# Altium PCB Motion_Driver_v2.PcbDoc (part 2 of 2)
Units mil, origin at the board's own origin, x right, y up, seen from the top; angles counter-clockwise.
Board outline 3947.73 x 2945.74 mil, 2 copper layers (Top Layer, Bottom Layer); 132 components, 83 nets, 409 pads, 694 vias.
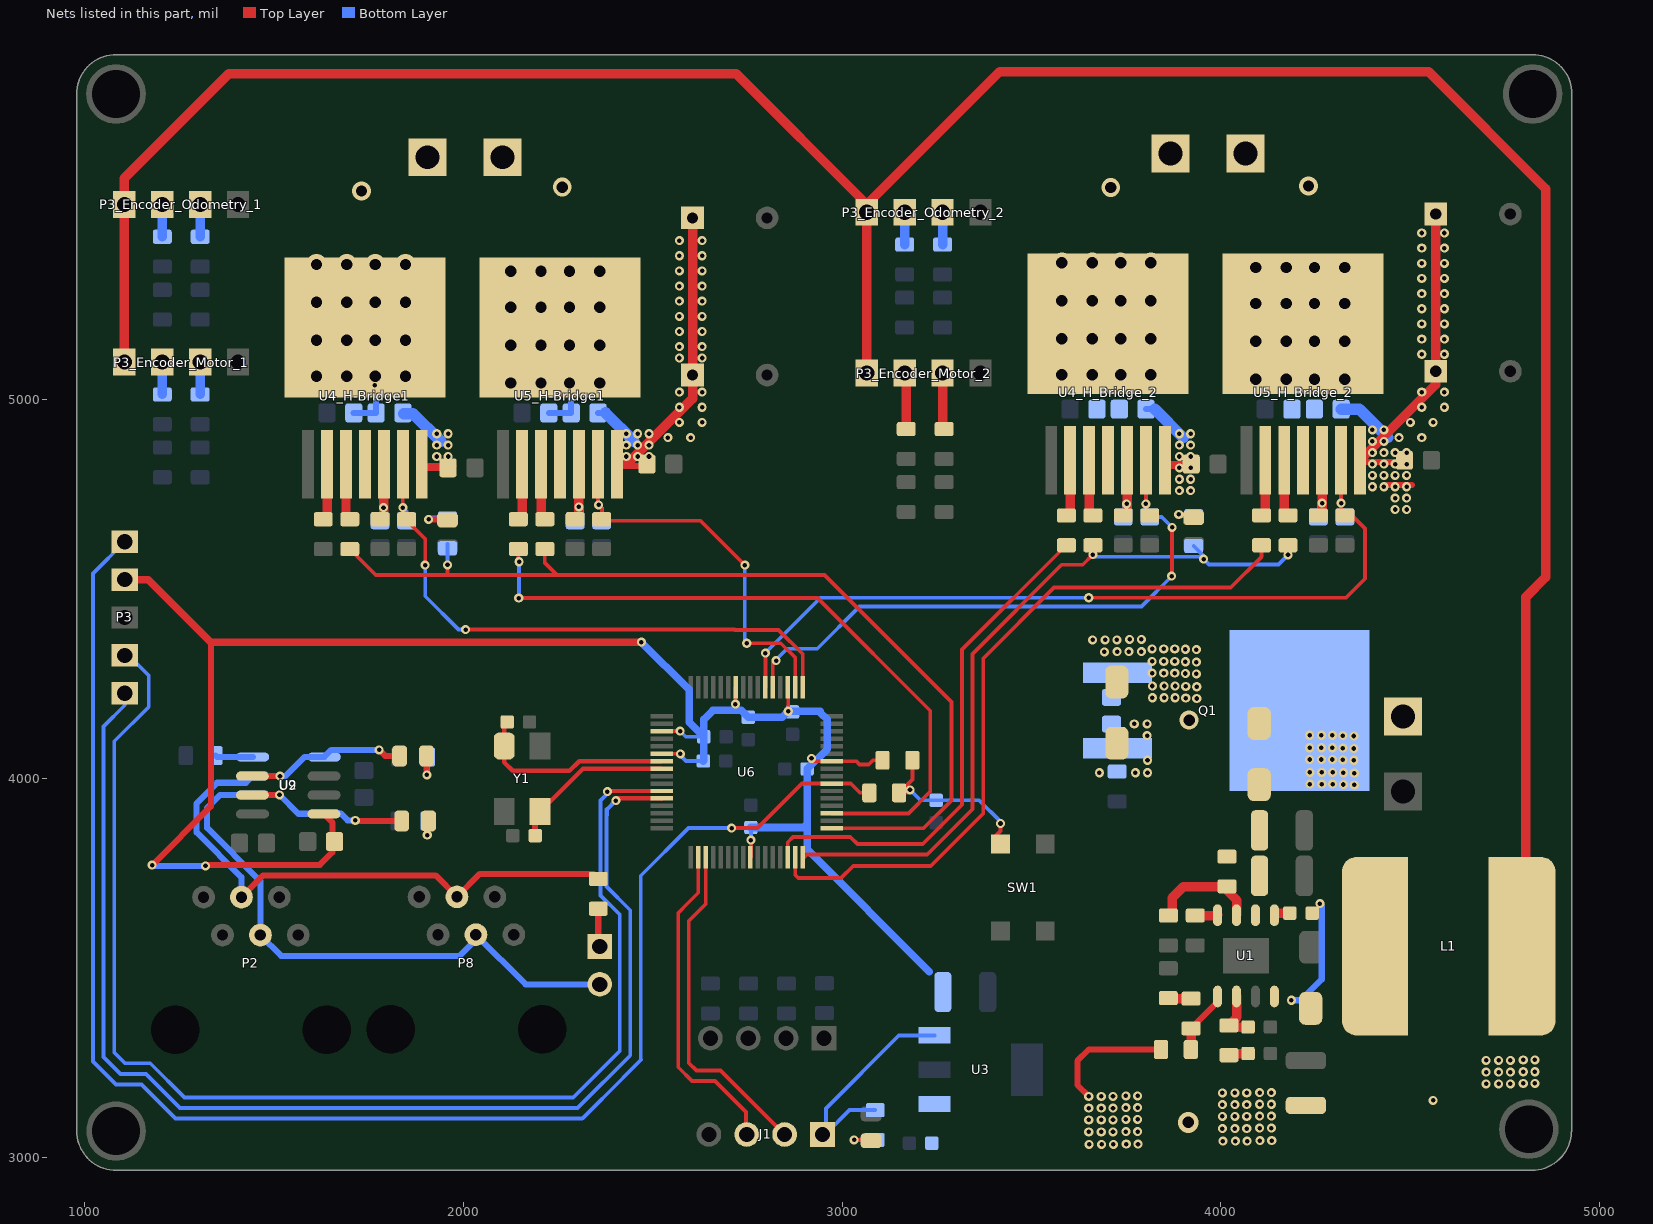
[diagram p2: the nets of this part, all layers, seen from the top]

## Via types
v1: diameter 24, hole 12, Top Layer to Bottom Layer, 406 vias
v2: diameter 24, hole 12, Top Layer to Bottom Layer, tented both sides, 206 vias
v3: diameter 55, hole 30, Top Layer to Bottom Layer, tented both sides, 64 vias
v4: diameter 27.56, hole 15.75, Top Layer to Bottom Layer, tented both sides, 7 vias
v5: diameter 50, hole 30, Top Layer to Bottom Layer, 7 vias
v6: diameter 55, hole 30, Top Layer to Bottom Layer, 4 vias

## Nets (pads, with @x,y where several pads share a name; then routed paths per layer and width w, separated by ;. In a path a pad name is that pad's centre, name@x,y a point inside that pad or via, vN(x,y) a via of type N, cw(c..) or ccw(c..) an arc to the next point about the centre after c; other vN are vias at no path point) (continued)
INA2: R21_H_Bridge_2.2 U6.62 | length 1362
  Top Layer w10: U6.62@2856.31,3791.64 2856.31,3831.43 2870.38,3845.51 3021.49,3845.51 3040,3827 3212.79,3827 3316.26,3930.46 3316.26,4340.45 3591.43,4615.63 R21_H_Bridge_2.2@3592,4615.63 R21_H_Bridge_2.2@3587.63,4620
INB1: R22_H-Bridge1.2 U6.3 | length 1851.3
  Top Layer w10: R22_H-Bridge1.2@2139.37,4600 R22_H-Bridge1.2@2145,4605.63 2145,4570 v2(2147,4572) ; v2(2146,4476) 2935,4476 3232.26,4178.74 3232.26,3965.26 3174.78,3907.78 U6.3@2972.45,3907.78
  Bottom Layer w10: v2(2146,4476) 2147,4475 v2(2147,4572)
INB2: R22_H_Bridge_2.2 U6.63 | length 1915.3
  Top Layer w10: U6.63@2875.99,3791.64 2875.99,3745.01 2884,3737 2997,3737 3029,3769 3233.99,3769 3372.26,3907.27 3372.26,4316.69 3559.57,4504 4026,4504 4107,4585 R22_H_Bridge_2.2@4107,4615.63
  Top Layer w16: R22_H_Bridge_2.2@4107.01,4602.99 R22_H_Bridge_2.2@4107,4615.63
INH1: R18_H-Bridge1.2 R19_H-Bridge1.2 R20_H-Bridge1.2 U6.1 | length 2525.9
  Top Layer w10: R19_H-Bridge1.2@1700,4605.63 1768.63,4537 2247,4537 ; v1(1958,4564) 1958,4539 1960,4537 ; R20_H-Bridge1.2@2215,4605.63 2215,4569 2247,4537 ; U6.1@2972.45,3868.41 3214.61,3868.41 3288.26,3942.06 3288.26,4201.94 2953.2,4537 2247,4537
  Bottom Layer w10: v1(1958,4564) R18_H-Bridge1.2@1958,4618.57
INH2: R18_H_Bridge_2.2 R19_H_Bridge_2.2 R20_H_Bridge_2.2 U6.64 | length 1966.2
  Top Layer w10: U6.64@2898.9,3791.64 2906.26,3799 3224.39,3799 3344.26,3918.87 3344.26,4328.85 3579.42,4564.02 3635.02,4564.02 v1(3662,4591) R19_H_Bridge_2.2@3662,4615.63 ; v1(4177,4590) R20_H_Bridge_2.2@4177,4615.63
  Bottom Layer w10: v1(3662,4591) 3668,4585 3948,4585 v1(3954,4579) ; R18_H_Bridge_2.2@3927.98,4613.63 3954,4587.61 v1(3954,4579) ; v1(4177,4590) 4152,4565 3968,4565 v1(3954,4579)
ISA1: C15_H-Bridge1.2 R23_H-Bridge1.2 U4_H-Bridge1.6 U6.17 | length 1562
  Top Layer w10: U4_H-Bridge1.6@1840,4830 v2(1840,4715) 1840,4690.43 1850,4680.43 1851.08,4680.43 1899,4632.51 v1(1899,4563) ; v1(2006,4393) 2716,4393 ; 2715,4394 2716,4393 ; U6.17@2895.68,4240.46 2895.68,4328.32 2832,4392 2717,4392 2716,4393
  Bottom Layer w10: v2(1840,4715) 1850,4705 C15_H-Bridge1.2@1850,4680.43 ; v1(1899,4563) 1899,4481 1987,4393 v1(2006,4393)
ISA2: C15_H_Bridge_2.2 R23_H_Bridge_2.2 U4_H_Bridge_2.6 U6.21 | length 1561.2
  Top Layer w10: U6.21@2816.94,4240.46 2816.94,4304.94 2823,4311 v2(2825.75,4311) ; v2(3802,4725) U4_H_Bridge_2.6@3802,4840 ; v1(3869.93,4533.93) 3871,4535 v1(3871,4663)
  Bottom Layer w10: v2(2825.75,4311) 2825.75,4313.75 2854.5,4342.5 2934.25,4342.5 3045.75,4454 3790,4454 v1(3869.93,4533.93) ; v2@3794.13,4725 v2(3802,4725) C15_H_Bridge_2.2@3802,4700.43 ; C15_H_Bridge_2.2@3812,4690.43 3843.57,4690.43 v1(3871,4663)
ISB1: C16_H-Bridge1.2 R24_H-Bridge1.2 U5_H-Bridge1.6 U6.18 | length 1055.6
  Top Layer w10: U5_H-Bridge1.6@2355,4830 2355,4724 v2(2357,4722) 2365,4714 R24_H-Bridge1.2@2365,4684.37 2365,4680.43 2625.57,4680.43 v1(2743,4563) ; v2(2748,4357) 2838,4357 2875.99,4319.01 U6.18@2875.99,4240.46
  Bottom Layer w10: v2(2357,4722) 2365,4714 C16_H-Bridge1.2@2365,4680.43 ; v1(2743,4563) 2743,4362 v2(2748,4357)
ISB2: C16_H_Bridge_2.2 R24_H_Bridge_2.2 U5_H_Bridge_2.6 U6.22 | length 2168.9
  Top Layer w10: v2(2797,4331) 2797.25,4330.75 U6.22@2797.25,4240.46 ; v1(3651,4477) 4330,4477 4380,4527 4380,4660 4349.57,4690.43 4327,4690.43 4317,4700.43 R24_H_Bridge_2.2@4317,4704.37 ; v2@4310.13,4727 v2(4317,4727) ; U5_H_Bridge_2.6@4317,4840 v2(4317,4727) ; R24_H_Bridge_2.2@4327,4694.37 R24_H_Bridge_2.2@4317,4704.37 ; R24_H_Bridge_2.2@4317,4704.37 v2(4317,4727)
  Bottom Layer w10: v2(2797,4331) 2943,4477 v1(3651,4477) ; v2(4317,4727) 4317,4700.43 C16_H_Bridge_2.2@4327,4690.43
M\C\L\R\: P3.1 R27.2 U6.7 | length 4181.6
  Top Layer w10: v1(2708,3869) 2776,3869 2894,3987 2930,3987 2930.48,3986.52 U6.7@2972.45,3986.52 3022.48,3986.52 3047,3962 R27.2@3071.63,3962
  Bottom Layer w10: P3.1@1106,4625 1022,4541 1022,3253 1083,3192 1150,3192 1240,3102 2314,3102 2422,3210 2422,3210.8 2468.5,3257.3 2468,3257.8 2468,3743 2594,3869 v1(2708,3869)
NetC1_1: C1.1 U1.1 | length 41.2
  Top Layer w25: U1.1@4142,3640.28 4146.06,3644.34 C1.1@4181.53,3644.34
NetC1_2: C1.2 D1.1 L1.1 U1.8 | length 304.9
  Bottom Layer w16: v2(4186.06,3414.34) 4211.06,3414.34 4266.06,3469.34 4266.06,3664.34 v2(4261.06,3669.34)
NetC2_1: C2.1 D3.2 Q1.1 R7.2
  other v2: 3679,4015 3774,4015 3806,4015 3806,4048 3805,4113 3771,4144 3805,4144
NetC3_2: C3.2 C4.2 D2.1 R1.2 U1.2
NetC5_2: C5.2 R5.2 U1.6 | length 138.6
  Top Layer w25: U1.6@4042,3425.72 4042,3369.02 R5.2@4021.06,3348.08 4025.43,3343.71 C5.2@4071.53,3343.71
NetC7_2: C7.2 R5.1 | length 52.3
  Top Layer w25: R5.1@4021.06,3269.34 4025.43,3273.71 C7.2@4071.53,3273.71
NetC11_H-Bridge1_1: C11_H-Bridge1.1 C13_H-Bridge1.2 P5_H-Bridge1.1 U4_H-Bridge1.4 U4_H-Bridge1.8 | length 136.3
  Top Layer w16: U4_H-Bridge1.8@1766,5038 v2(1766.43,5038.43)
  Bottom Layer w16: C13_H-Bridge1.2@1710.43,4965 C11_H-Bridge1.1@1769.57,4965 1769.57,5038.43 v2(1766.43,5038.43)
  other v3: 1612,5062 1692,5062 1767,5062 1847,5062 1612,5157 1692,5157 1767,5157 1847,5157 1612,5257 1692,5257 1767,5257 1847,5257 1612,5357 1692,5357 1767,5357 1847,5357
  other v5: 1731,5551
NetC11_H_Bridge_2_1: C11_H_Bridge_2.1 C13_H_Bridge_2.2 P5_H_Bridge_2.1 U4_H_Bridge_2.4 U4_H_Bridge_2.8
  other v3: 3580,5066 3660,5066 3735,5066 3815,5066 3580,5161 3660,5161 3735,5161 3815,5161 3580,5261 3660,5261 3735,5261 3815,5261 3580,5361 3660,5361 3735,5361 3815,5361
  other v5: 3709,5560
NetC12_H-Bridge1_2: C12_H-Bridge1.2 C14_H-Bridge1.2 P5_H-Bridge1.2 U5_H-Bridge1.4 U5_H-Bridge1.8 | length 135.1
  Bottom Layer w16: C14_H-Bridge1.2@2225.43,4965 C12_H-Bridge1.2@2284.57,4965 2284.57,5037.57 v2(2287,5040)
  other v3: 2125,5044 2205,5044 2280,5044 2360,5044 2125,5144 2205,5144 2280,5144 2360,5144 2125,5244 2205,5244 2280,5244 2360,5244 2125,5339 2205,5339 2280,5339 2360,5339
  other v5: 2261,5561
NetC12_H_Bridge_2_2: C12_H_Bridge_2.2 C14_H_Bridge_2.2 P5_H_Bridge_2.2 U5_H_Bridge_2.4 U5_H_Bridge_2.8
  other v3: 4092,5054 4172,5054 4247,5054 4327,5054 4092,5154 4172,5154 4247,5154 4327,5154 4092,5254 4172,5254 4247,5254 4327,5254 4092,5349 4172,5349 4247,5349 4327,5349
  other v5: 4231,5564
NetC16_2: C16.2 R16.1 R27.1 SW1.2 | length 448.3
  Top Layer w10: v2(3179,3970) 3171,3962 R27.1@3150.37,3962 3185.37,3997 R16.1@3185.37,4048 ; SW1.2@3405.89,3849 3418,3861.11 v2(3418,3881)
  Bottom Layer w10: v2(3179,3970) 3206.47,3942.53 C16.2@3248,3942.53 3361.47,3942.53 3418,3886 v2(3418,3881)
NetC17_H-Bridge1_2: C17_H-Bridge1.2 R25_H-Bridge1.2 U4_H-Bridge1.5 | length 188.1
  Top Layer w25: R25_H-Bridge1.2@1780,4684.37 1790,4694.37 U4_H-Bridge1.5@1790,4830
  Bottom Layer w25: C17_H-Bridge1.2@1780,4680.43 1789,4689.43 v2(1789,4715)
NetC17_H_Bridge_2_2: C17_H_Bridge_2.2 R25_H_Bridge_2.2 U4_H_Bridge_2.5 | length 188.1
  Top Layer w25: R25_H_Bridge_2.2@3742,4694.37 3752,4704.37 U4_H_Bridge_2.5@3752,4840
  Bottom Layer w25: C17_H_Bridge_2.2@3742,4690.43 3751,4699.43 v2(3751,4725)
NetC18_H-Bridge1_2: C18_H-Bridge1.2 R26_H-Bridge1.2 U5_H-Bridge1.5 | length 190.5
  Top Layer w25: R26_H-Bridge1.2@2295,4684.37 2305,4694.37 v2(2305,4717) U5_H-Bridge1.5@2305,4830
  Bottom Layer w25: C18_H-Bridge1.2@2295,4680.43 2305,4690.43 v2(2305,4717)
NetC18_H_Bridge_2_2: C18_H_Bridge_2.2 R26_H_Bridge_2.2 U5_H_Bridge_2.5 | length 190.5
  Top Layer w25: R26_H_Bridge_2.2@4257,4694.37 4267,4704.37 v2(4267,4727) U5_H_Bridge_2.5@4267,4840
  Bottom Layer w25: C18_H_Bridge_2.2@4257,4690.43 4267,4700.43 v2(4267,4727)
NetH_BRG1_H-Bridge1_2: H_BRG1_H-Bridge1.2 R18_H-Bridge1.1 | length 101.6
  Top Layer w16: v1(1908,4684) 1956.44,4684 H_BRG1_H-Bridge1.2@1958.01,4682.43
  Bottom Layer w16: v1(1908,4684) 1910.37,4686.37 R18_H-Bridge1.1@1958,4686.37
NetH_BRG1_H_Bridge_2_2: H_BRG1_H_Bridge_2.2 R18_H_Bridge_2.1 | length 84.2
  Top Layer w10: v1(3888.61,4696.98) 3919.45,4696.98 H_BRG1_H_Bridge_2.2@3928,4688.43
  Bottom Layer w10: v1(3888.61,4696.98) 3893.23,4692.37 R18_H_Bridge_2.1@3927.98,4692.37
NetJ2_1: J2.1 R11.2 | length 101.3
  Top Layer w16: R11.2@2356,3656 2356,3560.37 J2.1@2360,3556.37
NetJ2_2: J2.2 P2.4 P8.4 U2.6 | length 1533.1
  Bottom Layer w16: U2.6@1443.86,3956.74 1357.76,3956.74 1323.4,3922.39 1323.4,3869.39 1463.97,3728.82 P2.4@1463.97,3586.5 1519.09,3531.39 1990.4,3531.39 2032.97,3573.95 P8.4@2032.97,3587.44 2164.04,3456.37 J2.2@2360,3456.37
NetP1_2: P1.2 Q1.2
  other v2: 4352,3983 4323,3984 4235,3985 4266,3985 4295,3985 4352,4014 4323,4015 4235,4016 4266,4016 4295,4016 4351,4048 4322,4049 4234,4050 4265,4050 4294,4050 4351,4079 4322,4080 4234,4081 4265,4081 4294,4081 4351,4112 4322,4113 4234,4114 4265,4114 4294,4114
NetP2_3: P2.3 P8.3 R11.1 U2.7 | length 1494.9
  Top Layer w16: P2.3@1413.97,3686.5 1471.4,3743.94 1926.47,3743.94 P8.3@1982.97,3687.44 2043.4,3747.87 2342.87,3747.87 R11.1@2356,3734.74
  Bottom Layer w16: P2.3@1413.97,3686.5 1413.97,3739.22 1295.4,3857.79 1295.4,3933.98 1349.97,3988.55 1425.67,3988.55 U2.7@1443.86,4006.74
NetP3_Encoder_Motor_1_2: P3_Encoder_Motor_1.2 R13_Encoder_Motor_1.2 | length 85.6
  Bottom Layer w25: R13_Encoder_Motor_1.2@1205,5013.74 P3_Encoder_Motor_1.2@1205,5099.37
NetP3_Encoder_Motor_1_3: P3_Encoder_Motor_1.3 R14_Encoder_Motor_1.2 | length 85.6
  Bottom Layer w25: R14_Encoder_Motor_1.2@1305,5013.74 P3_Encoder_Motor_1.3@1305,5099.37
NetP3_Encoder_Motor_2_2: P3_Encoder_Motor_2.2 R13_Encoder_Motor_2.2 | length 149.3
  Top Layer w25: P3_Encoder_Motor_2.2@3165,5070 3169,5066 R13_Encoder_Motor_2.2@3169,4922.37
NetP3_Encoder_Motor_2_3: P3_Encoder_Motor_2.3 R14_Encoder_Motor_2.2 | length 149.3
  Top Layer w25: P3_Encoder_Motor_2.3@3265,5070 3265,4926.37 R14_Encoder_Motor_2.2@3269,4922.37
NetP3_Encoder_Odometry_1_2: P3_Encoder_Odometry_1.2 R13_Encoder_Odometry_1.2 | length 85.6
  Bottom Layer w25: R13_Encoder_Odometry_1.2@1205,5430 P3_Encoder_Odometry_1.2@1205,5515.63
NetP3_Encoder_Odometry_1_3: P3_Encoder_Odometry_1.3 R14_Encoder_Odometry_1.2 | length 85.6
  Bottom Layer w25: R14_Encoder_Odometry_1.2@1305,5430 P3_Encoder_Odometry_1.3@1305,5515.63
NetP3_Encoder_Odometry_2_2: P3_Encoder_Odometry_2.2 R13_Encoder_Odometry_2.2 | length 85.6
  Bottom Layer w25: R13_Encoder_Odometry_2.2@3165,5409.37 P3_Encoder_Odometry_2.2@3165,5495
NetP3_Encoder_Odometry_2_3: P3_Encoder_Odometry_2.3 R14_Encoder_Odometry_2.2 | length 85.6
  Bottom Layer w25: R14_Encoder_Odometry_2.2@3265,5409.37 P3_Encoder_Odometry_2.3@3265,5495
NetPWR1_2: PWR1.2 R13.1 | length 101.2
  Top Layer w10: v2(3031.63,3045.63) 3074.25,3045.63 PWR1.2@3076.32,3043.57
  Bottom Layer w10: v2(3031.63,3045.63) R13.1@3087.32,3045.63
NetR1_1: R1.1 R3.2 U1.3 | length 286.8
  Top Layer w25: R3.2@3861.06,3638.08 3871.06,3648.08 3871.06,3684.34 3901.06,3714.34 4006.06,3714.34 4042,3678.39 U1.3@4042,3640.28
NetR2_1: R2.1 R6.2 U1.5 | length 171
  Top Layer w16: R6.2@3921.06,3339.97 3992,3410.91 U1.5@3992,3425.72
  Top Layer w25: R2.1@3920.43,3284.34 3921.06,3284.97 R6.2@3921.06,3339.97
NetR4_2: R4.2 U1.4 | length 60.9
  Top Layer w25: R4.2@3932,3638.08 3989.8,3638.08 U1.4@3992,3640.28
NetR6_1: R6.1 R8.2 | length 60.5
  Top Layer w25: R8.2@3861.06,3419.97 3862.32,3418.71 R6.1@3921.06,3418.71
NetR9_1: R9.1 RXCAN1.2 | length 76.5
  Top Layer w16: v2(1904.4,3850.19) 1904.4,3884.06 RXCAN1.2@1907.94,3887.59
  Bottom Layer w16: v2(1904.4,3850.19) 1904.88,3850.66 R9.1@1904.88,3887.59
NetR10_1: R10.1 TXCAN1.2 | length 98.6
  Top Layer w16: TXCAN1.2@1902.52,4059.39 1902.52,4010.27 v2(1903.4,4009.39)
  Bottom Layer w16: v2(1903.4,4009.39) 1903.4,4053.33 R10.1@1906.46,4056.39
NetR12_2: R12.2 U2.8 | length 99.6
  Bottom Layer w16: R12.2@1345.77,4060.39 1349.42,4056.74 U2.8@1443.86,4056.74
NetR19_H-Bridge1_1: R19_H-Bridge1.1 U4_H-Bridge1.3 | length 149.8
  Top Layer w25: U4_H-Bridge1.3@1690,4830 1690,4694.37 R19_H-Bridge1.1@1700,4684.37
NetR19_H_Bridge_2_1: R19_H_Bridge_2.1 U4_H_Bridge_2.3 | length 149.8
  Top Layer w25: U4_H_Bridge_2.3@3652,4840 3652,4704.37 R19_H_Bridge_2.1@3662,4694.37
NetR20_H-Bridge1_1: R20_H-Bridge1.1 U5_H-Bridge1.3 | length 149.8
  Top Layer w25: U5_H-Bridge1.3@2205,4830 2205,4694.37 R20_H-Bridge1.1@2215,4684.37
NetR20_H_Bridge_2_1: R20_H_Bridge_2.1 U5_H_Bridge_2.3 | length 149.8
  Top Layer w25: U5_H_Bridge_2.3@4167,4840 4167,4704.37 R20_H_Bridge_2.1@4177,4694.37
NetR21_H-Bridge1_1: R21_H-Bridge1.1 U4_H-Bridge1.2 | length 149.8
  Top Layer w25: R21_H-Bridge1.1@1630,4684.37 1640,4694.37 U4_H-Bridge1.2@1640,4830
NetR21_H_Bridge_2_1: R21_H_Bridge_2.1 U4_H_Bridge_2.2 | length 149.8
  Top Layer w25: R21_H_Bridge_2.1@3592,4694.37 3602,4704.37 U4_H_Bridge_2.2@3602,4840
NetR22_H-Bridge1_1: R22_H-Bridge1.1 U5_H-Bridge1.2 | length 149.8
  Top Layer w25: R22_H-Bridge1.1@2145,4684.37 2155,4694.37 U5_H-Bridge1.2@2155,4830
NetR22_H_Bridge_2_1: R22_H_Bridge_2.1 U5_H_Bridge_2.2 | length 149.8
  Top Layer w25: R22_H_Bridge_2.1@4107,4694.37 4117,4704.37 U5_H_Bridge_2.2@4117,4840
NetRXCAN1_1: RXCAN1.1 U2.4 U9.7 | length 422.9
  Top Layer w16: U9.7@1442.86,3956 1514.02,3956 v2(1514.4,3956.39) ; v2(1714.4,3889.39) 1716.2,3887.59 RXCAN1.1@1837.07,3887.59
  Bottom Layer w16: v2(1514.4,3956.39) 1564.05,3906.74 U2.4@1632.83,3906.74 1677.05,3906.74 1694.4,3889.39 v2(1714.4,3889.39)
NetTXCAN1_1: TXCAN1.1 U2.1 U9.6 | length 424.2
  Top Layer w16: U9.6@1442.86,4006 v2(1515.79,4006) ; v2(1777.4,4075.39) 1793.4,4059.39 TXCAN1.1@1831.65,4059.39
  Bottom Layer w16: v2(1515.79,4006) 1530.02,4006 1580.76,4056.74 U2.1@1632.83,4056.74 1651.48,4075.39 v2(1777.4,4075.39)
OSC1: C17.2 U6.39 Y1.1 | length 545.6
  Top Layer w12: C17.2@2115.47,4149 2107.76,4141.28 Y1.1@2107.76,4085.61 2107.76,4042.24 2130,4020 2280,4020 2305.58,4045.58 U6.39@2523.64,4045.58
OSC2: C18.2 U6.40 Y1.3 | length 437.1
  Top Layer w12: Y1.3@2202.24,3912.39 2315.75,4025.89 U6.40@2523.64,4025.89
  Top Layer w16: C18.2@2189.53,3849 2189.53,3899.67 Y1.3@2202.24,3912.39
PGC: P3.5 U6.44 | length 3319.3
  Top Layer w12: v1(2402.58,3941.58) 2408.15,3947.15 U6.44@2523.64,3947.15 U6.44@2523.48,3947
  Bottom Layer w10: P3.5@1106,4225 1106,4193 1050,4137 1050,3264.6 1094.6,3220 1161.6,3220 1251.6,3130 2301.6,3130 2440.5,3268.9 2440.5,3652.1 2378,3714.6 2378,3902.3
  Bottom Layer w12: 2379,3902.3 2379,3918 v1(2402.58,3941.58)
PGD: P3.4 U6.43 | length 3409.9
  Top Layer w10: v1(2380,3965) 2381.84,3966.84 U6.43@2523.64,3966.84
  Bottom Layer w10: P3.4@1106,4325 1116,4325 1169,4272 1169,4189 1078,4098 1078,3276.2 1106.2,3248 1173.2,3248 1263.2,3158 2290,3158 2412.5,3280.5 2412.5,3640.5 2362,3691 2362,3942 2380,3960 v1(2380,3965)
UART_RX: J1.2 U6.51 | length 892.5
  Top Layer w10: U6.51@2639.77,3791.64 2639.77,3668.77 2595,3624 2595,3249 2615,3229 2679,3229 J1.2@2848,3060
UART_TX: J1.3 U6.50 | length 868.9
  Top Layer w10: U6.50@2620.09,3791.64 2620.09,3698.09 2595,3673 2567,3645 2567,3237.4 2603.4,3201 2664.28,3201 2745.7,3119.57 2745.7,3062.3 J1.3@2748,3060 ; J1.3@2752.37,3062 J1.3@2757,3062
VCC-3V3: C10.1 C23.2 C25.2 C26.2 C27.2 C28.2 C29.2 C30.2 J1.1 P3.2 R13.2 R16.2 U3.3 U6.10 U6.19 U6.26 U6.35 U6.38 U6.57 U9.1 | length 5659.4
  Top Layer w10: U6.35@2523.64,4124.32 2524.31,4125 v2(2572,4125) ; U6.38@2529.58,4065 v2(2572.79,4065) ; v2(2718,4196) 2718,4239.95 U6.26@2718.51,4240.46 ; U6.57@2757.88,3791.64 2759,3792.76 v2(2759,3837) ; U6.19@2856.31,4240.46 2857.5,4239.27 v2(2857.5,4177.5) ; v2(2919,4053) 2926.42,4045.58 U6.10@2972.45,4045.58 3037.42,4045.58 3046,4037 3070.02,4037 3081.02,4048 R16.2@3106.63,4048
  Top Layer w16: v2(1178,3771) 1333,3926 1333,4360 ; v2(1319,3769) 1321.94,3771.94 1620.94,3771.94 1653.93,3804.93 1653.93,3883.91 U9.1@1631.83,3906
  Top Layer w20: P3.2@1106,4525 1168,4525 1333,4360 v1(2470,4360)
  Bottom Layer w10: v2(2572,4125) 2587,4110 C29.2@2634.47,4110 ; v2(2572.79,4065) 2570.89,4063.11 2588,4046 C30.2@2633.47,4046 ; v2(2759,3837) C26.2@2759,3870.47 ; R13.2@3087.32,3124.37 3019.37,3124.37 2957,3062 2957,3129 3149.55,3321.55 U3.3@3243.95,3321.55
  Bottom Layer w16: v2(1178,3771) 1180,3769 v2(1319,3769)
  Bottom Layer w20: v1(2470,4360) 2595.79,4234.21 2595.79,4148.68 C29.2@2634.47,4110 ; C30.2@2633.47,4046 2634.47,4047 C29.2@2634.47,4110 ; C26.2@2759,3870.47 2898,3870.47 2907.53,3880 ; 3230,3490 2907.53,3812.47 2907.53,3880 ; C29.2@2634.47,4110 2634.47,4155.53 2658.94,4180 2733.53,4180 C28.2@2752,4161.53 2841.53,4161.53 v2(2857.5,4177.5) 2942.39,4177.5 2942.39,4174.06 2960,4156.46 2960,4077.47 C27.2@2907.53,4025 2907.53,3880
VCC-5V: C6.2 C9.2 L1.2 P3_Encoder_Motor_1.1 P3_Encoder_Motor_2.1 P3_Encoder_Odometry_1.1 P3_Encoder_Odometry_2.1 R2.2 U3.1 | length 7574.9
  Top Layer w16: v2(3651,3160.71) 3621.06,3190.65 3621.06,3254.34 3651.06,3284.34 R2.2@3841.69,3284.34
  Top Layer w25: P3_Encoder_Motor_1.1@1105,5099.37 P3_Encoder_Odometry_1.1@1105,5515.63 1105,5585 1381,5861 2720,5861 3065,5516 P3_Encoder_Odometry_2.1@3065,5515 ; P3_Encoder_Motor_2.1@3065,5070 P3_Encoder_Odometry_2.1@3065,5495 P3_Encoder_Odometry_2.1@3065,5515 ; L1.2@4805,3557 4805,4479 4857,4531 4857,5557 4548,5866 3416,5866 P3_Encoder_Odometry_2.1@3065,5515
  other v1: 4560,3150
  other v2: 3652,3033.71 3685,3033.71 3716,3033.71 3750,3034.71 3781,3034.71 4005,3042.71 4038,3042.71 4069,3042.71 4103,3043.71 4134,3043.71 3651,3066.71 3684,3066.71 3715,3066.71 3749,3067.71 3780,3067.71 4004,3075.71 4037,3075.71 4068,3075.71 4102,3076.71 4133,3076.71 3651,3098.71 3684,3098.71 3715,3098.71 3749,3099.71 3780,3099.71 4004,3107.71 4037,3107.71 4068,3107.71 4102,3108.71 4133,3108.71 3651,3129.71 3684,3129.71 3715,3129.71 3749,3130.71 3780,3130.71 4004,3138.71 4037,3138.71 4068,3138.71 4102,3139.71 4133,3139.71 3684,3160.71 3715,3160.71 3749,3161.71 3780,3161.71 4004,3169.71 4037,3169.71 4068,3169.71 4102,3170.71 4133,3170.71 4700,3193.71 4733,3193.71 4764,3193.71 4798,3194.71 4829,3194.71 4700,3224.71 4733,3224.71 4764,3224.71 4798,3225.71 4829,3225.71 4700,3255.71 4733,3255.71 4764,3255.71 4798,3256.71 4829,3256.71
  other v6: 3913.5,3092
VCC-12V: C2.2 C11_H-Bridge1.2 C11_H_Bridge_2.2 C12_H-Bridge1.1 C12_H_Bridge_2.1 C19_H-Bridge1.1 C19_H_Bridge_2.1 C20_H-Bridge1.1 C20_H_Bridge_2.1 C21_H-Bridge1.2 C21_H_Bridge_2.2 C22_H-Bridge1.2 C22_H_Bridge_2.2 D2.2 D3.1 Q1.3 U4_H-Bridge1.7 U4_H_Bridge_2.7 U5_H-Bridge1.7 U5_H_Bridge_2.7 | length 2552.7
  Top Layer w16: U4_H-Bridge1.7@1890,4830 1900,4820 C21_H-Bridge1.2@1959.57,4820 ; 1909.57,4825 C21_H-Bridge1.2@1974.13,4825 ; U5_H-Bridge1.7@2405,4830 2410,4825 C22_H-Bridge1.2@2474.57,4825 ; U4_H_Bridge_2.7@3852,4840 3862,4830 C21_H_Bridge_2.2@3921.57,4830 ; 3870,4825 C21_H_Bridge_2.2@3934.57,4825 ; U5_H_Bridge_2.7@4367,4840 4372,4835 C22_H_Bridge_2.2@4484.57,4835 ; v1@4440,4775 4504.57,4775
  Top Layer w25: U5_H-Bridge1.7@2405,4830 2432,4830 2605,5003 C19_H-Bridge1.1@2605,5065 C20_H-Bridge1.1@2605,5480 ; U5_H_Bridge_2.7@4367,4840 4567,5040 C19_H_Bridge_2.1@4567,5075 C20_H_Bridge_2.1@4567,5490
  Bottom Layer w16: C11_H-Bridge1.2@1840.43,4965 C11_H-Bridge1.2@1842.41,4963.03 ; C12_H-Bridge1.1@2355.43,4965 C12_H-Bridge1.1@2375,4965 ; C11_H_Bridge_2.2@3802.43,4975 C11_H_Bridge_2.2@3825,4975
  Bottom Layer w30: C11_H-Bridge1.2@1842.41,4963.03 1866.97,4963.03 1940,4890 ; C12_H-Bridge1.1@2375,4965 2450,4890 ; C11_H_Bridge_2.2@3825,4975 3900,4900 ; C12_H_Bridge_2.1@4317.43,4975 4365.25,4975 4440.25,4900
  other v1: 4460,4710 4490,4710 4460,4740 4490,4740 3890,4760 3920,4760 4400,4770 4430,4770 4460,4770 4490,4770 3890,4790 3920,4790 4400,4800 4430,4800 4460,4800 4490,4800 3890,4820 3920,4820 4400,4830 4430,4830 4460,4830 4490,4830 1929.57,4850 1959.57,4850 2430,4850 2460,4850 2490,4850 3890,4850 3920,4850 4400,4860 4430,4860 4460,4860 4490,4860 1929.57,4880 1959.57,4880 2430,4880 2460,4880 2490,4880 3890,4880 3920,4880 4400,4890 4430,4890 2540,4900 2600,4900 4470,4900 4530,4900 1929.57,4910 1959.57,4910 2430,4910 2460,4910 2490,4910 3890,4910 3920,4910 4400,4920 4430,4920 2570,4940 2630,4940 4500,4940 4560,4940 2570,4980 2630,4980 4530,4980 4590,4980 2570,5020 2630,5020 4530,5020 4590,5020 2570,5110 2630,5110 4530,5120 4590,5120 2570,5140 2630,5140 4530,5160 4590,5160 2570,5180 2630,5180 4530,5200 4590,5200 2570,5220 2630,5220 4530,5240 4590,5240 2570,5260 2630,5260 4530,5280 4590,5280 2570,5300 2630,5300 4530,5320 4590,5320 2570,5340 2630,5340 4530,5360 4590,5360 2570,5380 2630,5380 4530,5400 4590,5400 2570,5420 2630,5420 4530,5440 4590,5440
  other v2: 3936,4211 3907,4212 3819,4213 3850,4213 3879,4213 3936,4242 3907,4243 3819,4244 3850,4244 3879,4244 3935,4276 3906,4277 3818,4278 3849,4278 3878,4278 3935,4307 3906,4308 3818,4309 3849,4309 3878,4309 3692,4334 3726,4335 3757,4335 3790,4335 3935,4340 3906,4341 3818,4342 3849,4342 3878,4342 3661,4366 3694,4366 3725,4366 3759,4367 3790,4367
  other v5: 3916,4154
pads on no net: P2.1 P2.6 P2.M1 P2.M2 P8.1 P8.6 P8.M1 P8.M2 SW1.0 U2.5 U6.4 U6.5 U6.6 U6.8 U6.15 U6.16 U6.23 U6.24 U6.27 U6.28 U6.29 U6.32 U6.33 U6.34 U6.36 U6.37 U6.42 U6.49 U6.52 U6.59 U6.60 U6.61

## Polygon pours and split planes (outlines as drawn)
GND on Bottom Layer "Top Layer-No Net" (solid, pour order 42): 3321,3527 3683,3527 3683,3352 3681,3350 3668.11,3362.89 3323,3362.89
GND on Bottom Layer "Top Layer-No Net" (solid, pour order 16): 1489.42,5869 4900,5869 4900,3100 4870,3100 4770,3000 3619,3000 3619,4490 1480.92,4490
GND on Bottom Layer "Top Layer-No Net" (solid, pour order 36): 1015.27,5248 1433,5248 1433,4483 1456,4460 2318,4460 2318,3696 1994,3696 1931,3759 1933,3761 1933,4274 2318,4274 2318,4449 3418,4449 3418,2998 1120,2998 1008,3110 1008,3116
GND on Bottom Layer "Top Layer-No Net" (solid, pour order 18): 2020,4190 2060,4230 2240,4230 2270,4200 2270,3810 2240,3780 2050,3780 2020,3810 2020,4190
GND on Top Layer "Top Layer-No Net" (solid, pour order 40): 3321,3527 3683,3527 3683,3352 3681,3350 3668.11,3362.89 3323,3362.89
GND on Top Layer "Top Layer-No Net" (solid, pour order 26): 1489.42,5869 4900,5869 4900,3100 4870,3100 4770,3000 3619,3000 3619,4568 1481.4,4568
GND on Top Layer "Top Layer-No Net" (solid, pour order 38): 1017,5757 1130,5870 1433,5870 1433,4514 1467.5,4479.5 2318,4479.5 2318,3696 1994,3696 1931,3759 1933,3761 1933,4274 2318,4274 2318,4479.5 3387.5,4479.5 3418,4449 3418,2998 1120,2998 1008,3110
GND on Top Layer "Top Layer-No Net" (solid, pour order 20): 2020,4184.5 2060.5,4225 2240.5,4225 2270.5,4195 2270.5,3805 2240.5,3775 2050.5,3775 2020,3805.5

## Keep-outs
Keep-Out Layer:
  lines w10: 983.91,5806.25 cw(c1082.68,5807.09) 1083.77,5905.85 ; 984,3069 984,5805.25 ; 984.25,3070 ccw(c1083.01,3068.91) 1083.85,2970.15 ; 1083.17,5905.51 4822.09,5905.51 ; 1083.85,2970.4 4820.14,2970.4 ccw(c4821.23,3069.16) 4920,3070 ; 4822,5905.86 cw(c4822.83,5807.09) 4921.6,5806 ; 4921.26,3070 4921.26,5806.34

## Other copper
Top Layer:
  pour cut-out: 2384,3938 2366,3956 2312,3956 2312,4004.84 2325.16,4018 2510,4018 2510,3999 2491.06,3980.06 2405.31,3980.06
  pour cut-out: 2300,4060 2300,4260 2335,4260 2350,4275 2430,4275 2430,4239.51 2486.23,4183.27 2486.23,4060
  pour cut-out: 1983.35,4280 1963.35,4260 1920,4260 1737.4,4077.4 1737.4,3982.42 1650,3895.02 1650,3760 1940,3760 1980,3720 2029,3769 2037.07,3769 2037.07,4226.28
  pour cut-out: 2310,4227 2350,4267 2350,4275 2215,4275 2210,4270 2250,4230 2300,4230
  pour cut-out: 2420,4275 2420,4246.23 2486.23,4180 2570,4180 2570,4218.76 2580,4228.76 2580,4276.88 2421.88,4276.88
  pour cut-out: 2116.89,3997.29 2146.36,3967.82 2220.59,3967.82 2241.93,3989.16 2241.93,3994.75 2237.68,3999 2233.35,3994.67 2123.21,3994.67
  region net VCC-12V: 2470,4928 2500,4928 2582,4998 2590,4998 2651,4998 2651,4929 2600,4878 2490,4878
  region net VCC-12V: 2553.24,5508 2652,5508 2652,4968 2555.24,4968
  region net NetC1_2: 4225,3677 4225,3622 4280,3622 4280,3677
  region net NetC1_2: 4135,3452 4130,3447 4130,3402 4140,3392 4199.94,3392 4205.11,3386.83 4204.94,3363.66 4217.94,3350.66 4303.94,3350.66 4342.61,3312 4520,3312 4530,3322 4530,3782 4515,3797 4350,3797 4310,3757 4310,3462 4300,3452
  region net VCC-5V: 4676.06,3769.34 4701.06,3794.34 4876.06,3794.34 4901.06,3769.34 4901.05,3203.05 4901.06,3169.34 4684.35,3169.34 4544,2994.34 3641.06,2994.34 3621.06,3014.34 3621.06,3169.34 3651.06,3194.34 4571.23,3194.34 4676.06,3299.16
  region net NetC3_2: 4106.06,3622.34 4106.06,3669.34 4136.06,3699.34 4136.06,3921.34 4153.06,3938.34 4153.06,4017.34 4138.06,4032.34 4063.06,4032.34 4063.06,4031.34 4051.06,4019.34 4051.06,3840.34 4044.06,3833.34 3988.06,3833.34 3980.06,3825.34 3980.06,3773.34 3994.06,3759.34 4054.06,3759.34 4078.06,3735.34 4078.06,3626.14 4085.06,3616.34 4100.06,3616.34
  region: 4367.06,3316.34
  region net VCC-12V: 3651.06,4184.34 3631.06,4204.34 3631.06,4369.34 3721.72,4460 4156.06,4460 4156.06,4339.34 4156.06,4089.34 4141.06,4074.34 3941.05,4074.34 3831.06,4184.34
  region net NetC2_1: 3641.06,3994.34 3631.06,4004.34 3631.06,4154.34 3641.06,4164.34 3811.06,4164.34 3821.06,4154.34 3821.06,4004.34 3811.06,3994.34
  region net NetP1_2: 4531.06,4099.34 4531.06,4240 4205,4240 4205,3959.34 4376.06,3959.34 4401.06,3984.34 4401.06,4079.34 4411.06,4089.34 4521.06,4089.34
  region net NetC11_H_Bridge_2_1: 3913,5301.57 3518,5301.57 3513,5306.57 3513,5481.57 3808,5776.57 3913,5776.57
  region net NetC11_H-Bridge1_1: 1953,5291.57 1558,5291.57 1553,5296.57 1553,5471.57 1848,5766.57 1953,5766.57
  region net NetC12_H-Bridge1_2: 2048,5290.43 2443,5290.43 2448,5295.43 2448,5470.43 2153,5765.43 2048,5765.43
  region net NetC12_H_Bridge_2_2: 4006,5300.43 4401,5300.43 4406,5305.43 4406,5480.43 4111,5775.43 4006,5775.43
  region net NetC12_H_Bridge_2_2: 4234.57,4751 4231.57,4748 4201.57,4748 4198.57,4751 4198.57,4943 4143.57,4998 3991.57,4998 3976.57,5013 3976.57,5398 3991.57,5413 4436.57,5413 4451.57,5398 4451.57,5013 4436.57,4998 4289.57,4998 4234.57,4943
  region net NetC11_H_Bridge_2_1: 3719.57,4747 3716.57,4744 3686.57,4744 3683.57,4747 3683.57,4939 3628.57,4994 3476.57,4994 3461.57,5009 3461.57,5394 3476.57,5409 3921.57,5409 3936.57,5394 3936.57,5009 3921.57,4994 3774.57,4994 3719.57,4939
  region net NetC12_H-Bridge1_2: 2270.57,4740 2267.57,4737 2237.57,4737 2234.57,4740 2234.57,4932 2179.57,4987 2027.57,4987 2012.57,5002 2012.57,5387 2027.57,5402 2472.57,5402 2487.57,5387 2487.57,5002 2472.57,4987 2325.57,4987 2270.57,4932
  region net NetC11_H-Bridge1_1: 1755.57,4741 1752.57,4738 1722.57,4738 1719.57,4741 1719.57,4933 1664.57,4988 1512.57,4988 1497.57,5003 1497.57,5388 1512.57,5403 1957.57,5403 1972.57,5388 1972.57,5003 1957.57,4988 1810.57,4988 1755.57,4933
  region net VCC-12V: 4600,4548 4511,4782.05 4511,4899 4468,4942 4351,4942 4351,4747 4376,4747 4410,4713 4410,4548
  region net VCC-12V: 4156,4304 4156,4297.31 4162.69,4297.31 4600,4297.31 4600,4548 4410,4548 4410,4460 4156,4460
  region net VCC-12V: 1990,4769 1990,4909.44 1973.62,4925.82 1876.62,4925.82 1876.62,4769
  region net VCC-12V: 2504.19,4730 2504.19,4908.62 2487.81,4925 2390.81,4925 2390.81,4730 2415.81,4730
  region net VCC-12V: 3947.62,4736.21 3947.62,4914.83 3931.25,4931.21 3834.25,4931.21 3834.25,4736.21 3859.25,4736.21
  region net VCC-12V: 4433.2,4942 4451.2,4942 4537,5020 4550,5020 4612,5020 4612,4952 4539.37,4879.37 4458.25,4879.37
  region net VCC-12V: 4513.24,5528 4612,5528 4612,4988 4515.24,4988
Bottom Layer:
  pour cut-out: 1840,3848.22 1854.77,3862.98 1875.23,3862.98 1898.22,3840 1950,3840 1950,3816.47 2000,3766.47 2000,3730 2130,3730 2166.62,3693.38 2166.62,3552.2 2145.8,3531.39 1890,3531.39 1890,3580 1752,3718 1752,3786.98 1780,3814.98
  pour cut-out: 1490,3760 1480,3750 1480,3650 1500.47,3650 1550.47,3600 1630,3600 1630,3541.39 1640,3531.39 1648.61,3540 1880,3540 1880,3544.36 1714.36,3710 1720,3715.64 1720,3770 1490,3770 1480,3760
  pour cut-out: 1260,3740 1260,3530 1290,3500 1630,3500 1630,3620 1620,3630 1513.99,3630 1480,3663.99 1480,3720 1486.06,3720 1510,3743.94
  pour cut-out: 1420,3872.73 1430,3862.73 1430,3840 1448.54,3840 1483.77,3804.78 1488.99,3810 1750,3810 1750,3812.46 1807.54,3870 1790,3887.54 1790,3910 1757.79,3910 1706.05,3858.26 1706.05,3858.21 1642.19,3858.21 1600.4,3900 1531.26,3900 1506.05,3925.21 1500.13,3919.29 1500.13,3886.77 1474.04,3886.77 1451.92,3864.65 1431.79,3864.65
  pour cut-out: 1009.74,5460.2 1159.53,5460.2 1180,5439.72 1180,5380 1160,5380 1050,5270 1000,5270 1000,5450.46 1009.74,5460.2
  pour cut-out: 1354.53,5460.2 1531.84,5460.2 1532.61,5459.43 1532.61,5423.39 1503.68,5423.39 1480,5399.71 1480,5250 1465.31,5250 1324.68,5390.63 1349.34,5415.29 1349.34,5449.78
  pour cut-out: 2040,5430 2027.93,5430 1995.72,5397.79 1963.51,5430 1960,5430 1960,5782.13 1963.28,5785.41 2045.9,5785.41
  pour cut-out: 3125.63,5438.9 3125.63,5390 3070,5390 3020,5340 3015.47,5344.53 3015.47,5439.57
  pour cut-out: 3928.18,5789.85 3929.31,5790.99 3993.28,5790.99 3993.28,5443.55 3974.38,5424.65 3944.35,5424.65 3930,5439 3930,5800
  pour cut-out: 3850,5010 3929.17,5010 3951.04,5031.87 3950,5032.9 3950,5050 3953.25,5050 3988.88,5014.37 4130,5014.37 4130,5011.57 4152,4989.56 4152,4912 4140,4900 4126.38,4913.62 3906.38,4913.62 3835.9,4984.1 3835.9,5000 3844.46,5000 3850.55,5006.09
  pour cut-out: 2180.83,5000.5 2180,4999.67 2180,4920 1990,4920 1970,4940 1910,4940 1873.9,4976.1 1873.9,5000 1934.25,5000 1966.25,5032 2014.33,5032 2014.33,5006.92 2029.91,4991.35 2161.15,4991.35
  pour cut-out: 2450,4943.27 2450,4930 2490,4930 2540,4980 2540,5500.82 2525.08,5515.73 2431.54,5515.73 2431.54,5459.25 2487.57,5403.22 2487.57,5002 2391.27,5002
  pour cut-out: 4444.37,5431.84 4498.16,5431.84 4500,5430 4500,5010 4488.45,5010 4440.84,4962.39 4403.77,4999.46 4409.46,4999.46 4470,5060 4470,5416.64 4442.8,5443.84
  region net GND: 3130,3200 3130,3060 3168.75,3021.25 3198.75,3021.25 3200,3020 3200,3050 3160,3090 3160,3170
  region net GND: 3290,3260 3190,3260 3130,3200 3160,3170
  pour cut-out: 3302.02,3162.02 3300,3160 3290,3170 3190,3170 3190,3070 3210,3050 3200,3040 3200,3000 3110,3000 3119.62,3009.62 3119.62,3159.83 3029.73,3159.83 3080,3210.11 3080,3230 3090,3230 3180,3320 3302.02,3320
  pour cut-out: 2690,3120 2690,3000 2993,3000 3000.5,3007.5 3000,3008 3000,3120
  pour cut-out: 2580,3430 2580,3260 3000,3260 3000,3430
  pour cut-out: 2689.66,3410.99 2715.34,3410.99 2715.34,3350.18 2707.79,3342.63 2700.32,3350.1 2691.37,3350.1 2691.37,3409.27
  region net VCC-12V: 4514.24,5532 4613,5532 4613,4992 4516.24,4992
  region net VCC-12V: 4435,4942 4449.29,4942 4529.29,5022 4551,5022 4612,5022 4612,4953 4538.37,4879.37 4460.05,4879.37
  region net VCC-12V: 2470,4930 2500,4930 2582,5000 2590,5000 2651,5000 2651,4931 2600,4880 2490,4880
  region net VCC-12V: 2553.24,5510 2652,5510 2652,4970 2555.24,4970
  region net VCC-12V: 3641.06,4194.34 3631.06,4204.34 3631.06,4367.06 3648.34,4384.34 3936.66,4384.34 3956,4365 3956,4101 3945.42,4092 3927.13,4091.13 3823.92,4194.34
  region net NetC2_1: 3641.06,3994.34 3631.06,4004.34 3631.06,4154.34 3641.06,4164.34 3811.06,4164.34 3821.06,4154.34 3821.06,4004.34 3811.06,3994.34
  region net NetP1_2: 4521.06,4089.34 4521.06,4384.34 4001.06,4384.34 4001.06,3959.34 4376.06,3959.34 4401.06,3984.34 4401.06,4079.34 4411.06,4089.34
  region net VCC-5V: 4902,3251.63 4902,3173 4804.71,3173 4684.35,3173 4544,2998 3642,2998 3622,3018 3622,3173 3652,3198 4572.29,3198 4676,3301.71 4853.72,3301.71
  region net GND: 3203,3202 3198,3207 3198,3255 3203,3260 3290,3260 3313,3283 3313,3492 3318,3497 3538,3497 3543,3492 3543,3104 3313,3104 3313,3179 3290,3202
  region net VCC-3V3: 3203,3293 3198,3298 3198,3498 3203,3503 3288,3503 3293,3498 3293,3298 3288,3293
  region net VCC-5V: 3200.3,3163 3199,3150 3199,3098 3199,3088.53 3221,3066.53 3220,3065.53 3220,3017 3807,3017 3814,3024 3814,3099 3611,3099 3595,3083 3295,3083 3259,3119 3259,3163
  region net NetC11_H-Bridge1_1: 1952.24,5288.33 1557.24,5288.33 1552.24,5293.33 1552.24,5468.33 1847.24,5763.33 1952.24,5763.33
  region net NetC12_H-Bridge1_2: 2048.53,5292.43 2443.53,5292.43 2448.53,5297.43 2448.53,5472.43 2153.53,5767.43 2048.53,5767.43
  region net NetC12_H_Bridge_2_2: 4004.53,5300.43 4399.53,5300.43 4404.53,5305.43 4404.53,5480.43 4109.53,5775.43 4004.53,5775.43
  region net NetC11_H_Bridge_2_1: 3917.24,5296.33 3522.24,5296.33 3517.24,5301.33 3517.24,5476.33 3812.24,5771.33 3917.24,5771.33
  region net NetC11_H-Bridge1_1: 1804.33,4941.76 1797.57,4935 1762.33,4935 1686.09,4935 1680.33,4940.76 1680.33,4992 1657.33,5015 1522.33,5015 1502.33,5035 1502.33,5395 1517.33,5410 1962.33,5410 1977.33,5395 1977.33,5035 1957.33,5015 1827.33,5015 1804.33,4992
  region net NetC12_H-Bridge1_2: 2316.33,4938.76 2309.57,4932 2274.33,4932 2198.09,4932 2192.33,4937.76 2192.33,4989 2169.33,5012 2034.33,5012 2014.33,5032 2014.33,5392 2029.33,5407 2474.33,5407 2489.33,5392 2489.33,5032 2469.33,5012 2339.33,5012 2316.33,4989
  region net NetC11_H_Bridge_2_1: 3765.33,4954.76 3758.57,4948 3723.33,4948 3647.09,4948 3641.33,4953.76 3641.33,5005 3618.33,5028 3483.33,5028 3463.33,5048 3463.33,5408 3478.33,5423 3923.33,5423 3938.33,5408 3938.33,5048 3918.33,5028 3788.33,5028 3765.33,5005
  region net NetC12_H_Bridge_2_2: 4277,4956.76 4270.24,4950 4235,4950 4158.76,4950 4153,4955.76 4153,5007 4130,5030 3995,5030 3975,5050 3975,5410 3990,5425 4435,5425 4450,5410 4450,5050 4430,5030 4300,5030 4277,5007
  region net VCC-12V: 1990,4793 1990,4908.5 1968.5,4930 1871.5,4930 1871.5,4793
  region net VCC-12V: 2504.88,4783 2504.88,4903.62 2488.5,4920 2391.5,4920 2391.5,4783
  region net VCC-12V: 3944.88,4735 3944.88,4913.62 3928.5,4930 3831.5,4930 3831.5,4735 3856.5,4735
  region net VCC-12V: 1990,4902 4505,4902 4505,4810 1990,4810
  region net VCC-12V: 4552.44,4680 4512,4782.05 4512,4899 4469,4942 4352,4942 4352,4747 4377,4747 4411,4713 4411,4680

## Silkscreen, mask and mechanical layers (free items; w line width, h text height)
Top Overlay:
  lines w16: 4275,4172 4375,4172 ; 4325,4122 4325,4222
  text "12v" at 3885,4122 h60 r90
  text "3V3" at 3116.88,3412 h60 r90
  text "5v" at 3870,3072 h60 r90